# KiCad board 75%.kicad_pcb
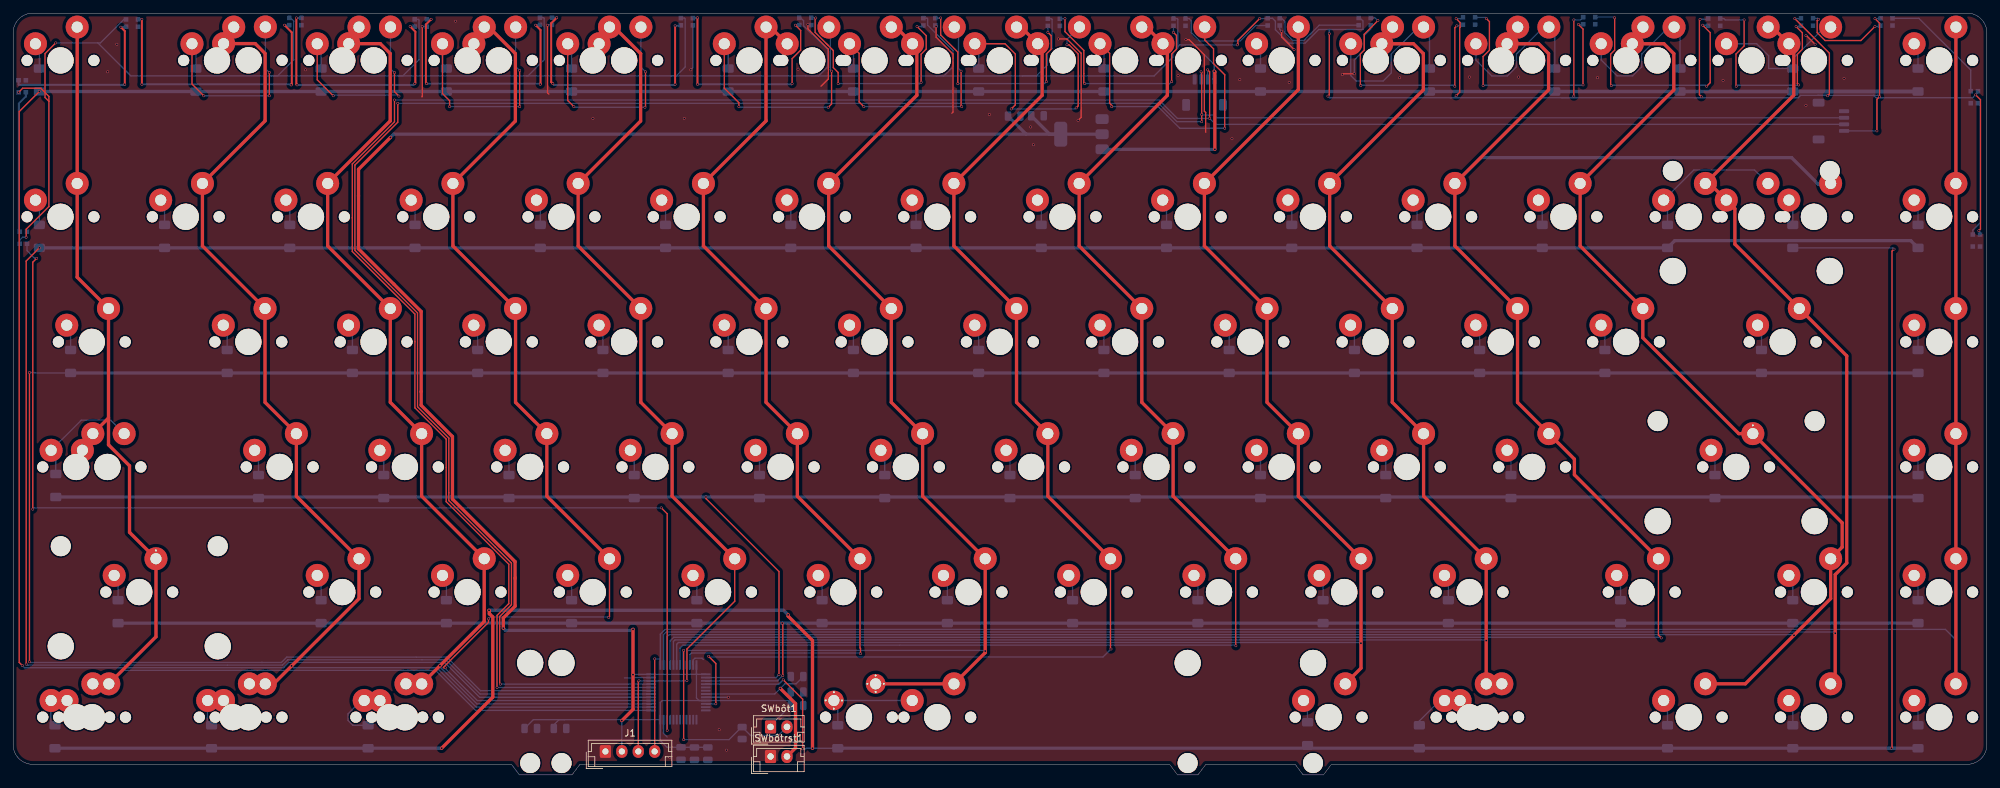
[diagram p0: board, top side]
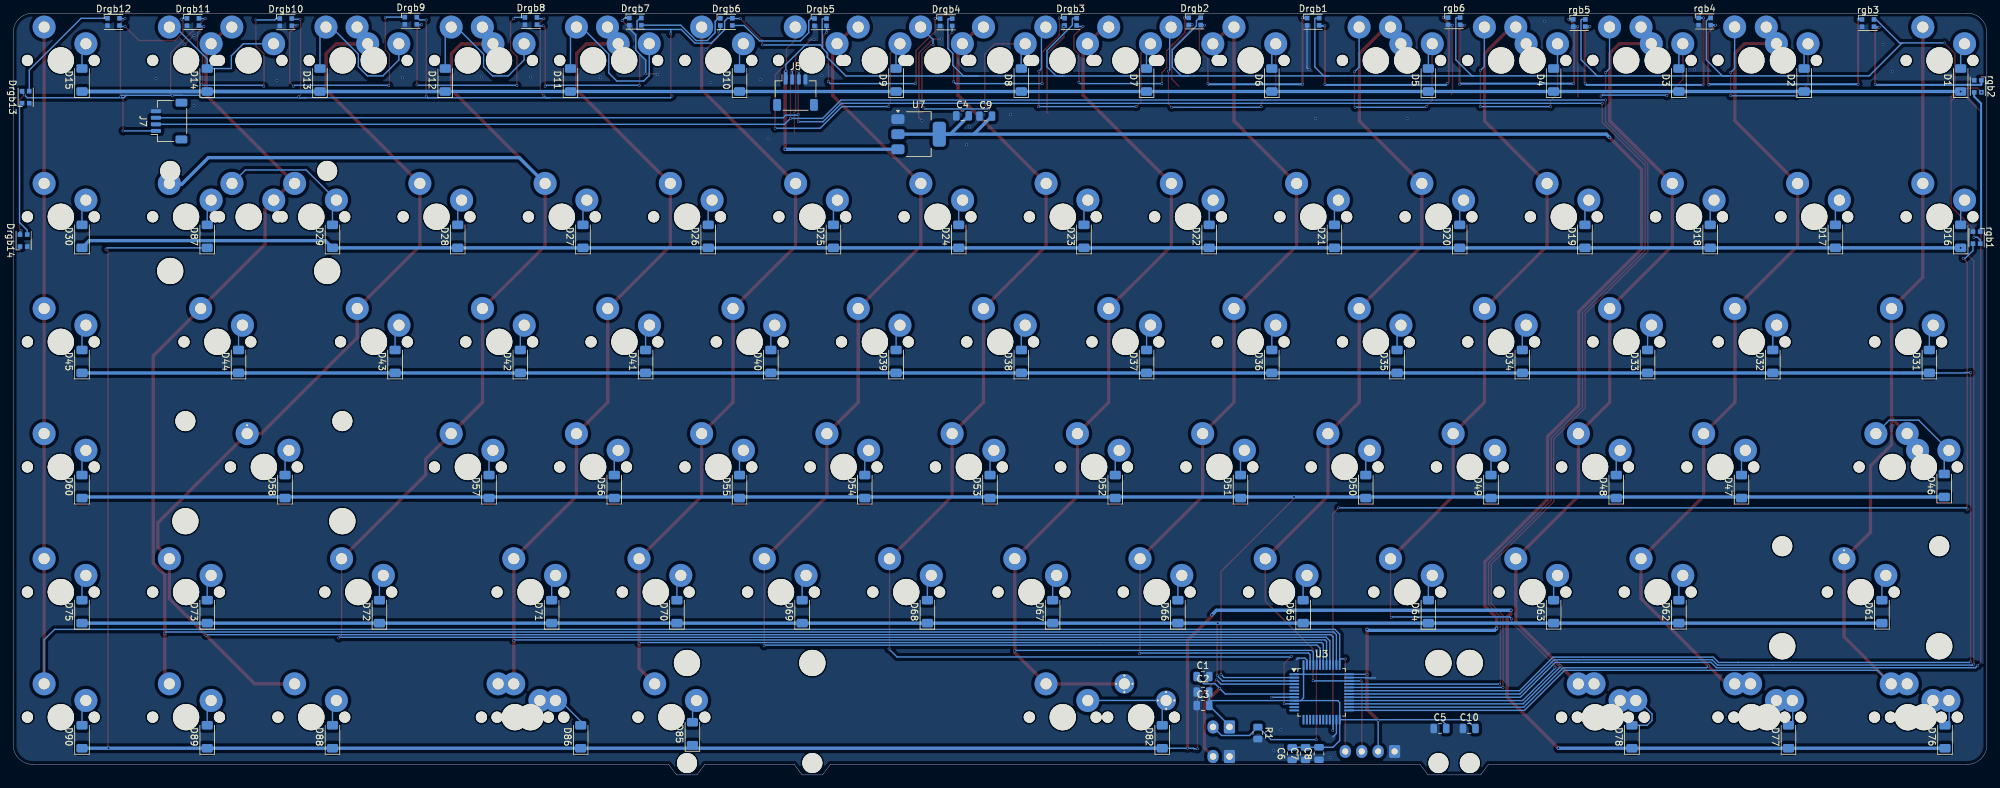
[diagram p1: board, bottom side, seen from below]

Outline 300.2 x 116 mm; copper layers: Top, Bottom. Coordinates in mm from the lower left corner of the outline.
Outline path: 0,113 0,4.6 arc(0.88,2.48) 3,1.6 75.8,1.6 77,0 85,0 86.2,1.6 175.9,1.6 177.1,0 180.2,0 181.4,1.6 195,1.6 196.2,0 199.3,0 200.5,1.6 297.2,1.6 arc(299.32,2.48) 300.2,4.6 300.2,113 arc(299.32,115.12) 297.2,116 3,116 arc(0.88,115.12) 0,113

## Placement (name value [footprint] x y rotation side)
C1  4.7uF  [C_0805_2012Metric]  119.23 14.97 180 bottom
C2  4.7uF  [C_0805_2012Metric]  119.23 12.61 180 bottom
C3  100nF  [C_0805_2012Metric]  119.23 10.57 180 bottom
C4  4.7uF  [C_0805_2012Metric]  155.8 100.37 180 bottom
C5  4.7uF  [C_0805_2012Metric]  83.18 7.07 180 bottom
C6  100nF  [C_0805_2012Metric]  105.66 3.24 90 bottom
C7  100nF  [C_0805_2012Metric]  103.63 3.24 90 bottom
C8  4.7uF  [C_0805_2012Metric]  101.58 3.25 90 bottom
C9  100nF  [C_0805_2012Metric]  152.27 100.32 180 bottom
C10  4.7uF  [C_0805_2012Metric]  78.73 7.07 180 bottom
D1  D_Small  [D_MiniMELF]  3.98 105.82 90 bottom
D2  D_Small  [D_MiniMELF]  27.79 105.82 90 bottom
D3  D_Small  [D_MiniMELF]  46.84 105.82 90 bottom
D4  D_Small  [D_MiniMELF]  65.89 105.82 90 bottom
D5  D_Small  [D_MiniMELF]  84.94 105.82 90 bottom
D6  D_Small  [D_MiniMELF]  108.76 105.82 90 bottom
D7  D_Small  [D_MiniMELF]  127.81 105.82 90 bottom
D8  D_Small  [D_MiniMELF]  146.86 105.82 90 bottom
D9  D_Small  [D_MiniMELF]  165.91 105.82 90 bottom
D10  D_Small  [D_MiniMELF]  189.72 105.82 90 bottom
D11  D_Small  [D_MiniMELF]  215.43 105.82 90 bottom
D12  D_Small  [D_MiniMELF]  234.48 105.82 90 bottom
D13  D_Small  [D_MiniMELF]  253.53 105.82 90 bottom
D14  D_Small  [D_MiniMELF]  270.68 105.82 90 bottom
D15  D_Small  [D_MiniMELF]  289.73 105.82 90 bottom
D16  D_Small  [D_MiniMELF]  3.98 82 90 bottom
D17  D_Small  [D_MiniMELF]  23.03 82 90 bottom
D18  D_Small  [D_MiniMELF]  42.08 82 90 bottom
D19  D_Small  [D_MiniMELF]  61.13 82 90 bottom
D20  D_Small  [D_MiniMELF]  80.18 82 90 bottom
D21  D_Small  [D_MiniMELF]  99.23 82 90 bottom
D22  D_Small  [D_MiniMELF]  118.28 82 90 bottom
D23  D_Small  [D_MiniMELF]  137.33 82 90 bottom
D24  D_Small  [D_MiniMELF]  156.38 82 90 bottom
D25  D_Small  [D_MiniMELF]  175.43 82 90 bottom
D26  D_Small  [D_MiniMELF]  194.48 82 90 bottom
D27  D_Small  [D_MiniMELF]  213.53 82 90 bottom
D28  D_Small  [D_MiniMELF]  232.58 82 90 bottom
D29  D_Small  [D_MiniMELF]  251.63 82 90 bottom
D30  D_Small  [D_MiniMELF]  289.73 82 90 bottom
D31  D_Small  [D_MiniMELF]  8.74 62.95 90 bottom
D32  D_Small  [D_MiniMELF]  32.56 62.95 90 bottom
D33  D_Small  [D_MiniMELF]  51.61 62.95 90 bottom
D34  D_Small  [D_MiniMELF]  70.66 62.95 90 bottom
D35  D_Small  [D_MiniMELF]  89.71 62.95 90 bottom
D36  D_Small  [D_MiniMELF]  108.76 62.95 90 bottom
D37  D_Small  [D_MiniMELF]  127.81 62.95 90 bottom
D38  D_Small  [D_MiniMELF]  146.86 62.95 90 bottom
D39  D_Small  [D_MiniMELF]  165.91 62.95 90 bottom
D40  D_Small  [D_MiniMELF]  184.96 62.95 90 bottom
D41  D_Small  [D_MiniMELF]  204.01 62.95 90 bottom
D42  D_Small  [D_MiniMELF]  223.06 62.95 90 bottom
D43  D_Small  [D_MiniMELF]  242.11 62.95 90 bottom
D44  D_Small  [D_MiniMELF]  265.92 62.95 90 bottom
D45  D_Small  [D_MiniMELF]  289.73 62.95 90 bottom
D46  D_Small  [D_MiniMELF]  6.48 44.07 90 bottom
D47  D_Small  [D_MiniMELF]  37.32 43.9 90 bottom
D48  D_Small  [D_MiniMELF]  56.37 43.9 90 bottom
D49  D_Small  [D_MiniMELF]  75.42 43.9 90 bottom
D50  D_Small  [D_MiniMELF]  94.47 43.9 90 bottom
D51  D_Small  [D_MiniMELF]  113.52 43.9 90 bottom
D52  D_Small  [D_MiniMELF]  132.57 43.9 90 bottom
D53  D_Small  [D_MiniMELF]  151.62 43.9 90 bottom
D54  D_Small  [D_MiniMELF]  170.67 43.9 90 bottom
D55  D_Small  [D_MiniMELF]  189.72 43.9 90 bottom
D56  D_Small  [D_MiniMELF]  208.77 43.9 90 bottom
D57  D_Small  [D_MiniMELF]  227.82 43.9 90 bottom
D58  D_Small  [D_MiniMELF]  258.85 43.9 90 bottom
D60  D_Small  [D_MiniMELF]  289.73 43.9 90 bottom
D61  D_Small  [D_MiniMELF]  15.96 24.85 90 bottom
D62  D_Small  [D_MiniMELF]  46.84 24.85 90 bottom
D63  D_Small  [D_MiniMELF]  65.89 24.85 90 bottom
D64  D_Small  [D_MiniMELF]  84.94 24.85 90 bottom
D65  D_Small  [D_MiniMELF]  103.99 24.85 90 bottom
D66  D_Small  [D_MiniMELF]  123.04 24.85 90 bottom
D67  D_Small  [D_MiniMELF]  142.09 24.85 90 bottom
D68  D_Small  [D_MiniMELF]  161.14 24.85 90 bottom
D69  D_Small  [D_MiniMELF]  180.19 24.85 90 bottom
D70  D_Small  [D_MiniMELF]  199.24 24.85 90 bottom
D71  D_Small  [D_MiniMELF]  218.29 24.85 90 bottom
D72  D_Small  [D_MiniMELF]  244.49 24.85 90 bottom
D73  D_Small  [D_MiniMELF]  270.68 24.85 90 bottom
D75  D_Small  [D_MiniMELF]  289.73 24.85 90 bottom
D76  D_Small  [D_MiniMELF]  6.36 5.8 90 bottom
D77  D_Small  [D_MiniMELF]  30.17 5.8 90 bottom
D78  D_Small  [D_MiniMELF]  53.99 5.8 90 bottom
D82  D_Small  [D_MiniMELF]  125.42 5.8 90 bottom
D85  D_Small  [D_MiniMELF]  196.88 6.27 90 bottom
D86  D_Small  [D_MiniMELF]  213.88 5.8 90 bottom
D87  D_Small  [D_MiniMELF]  270.68 82 90 bottom
D88  D_Small  [D_MiniMELF]  251.63 5.8 90 bottom
D89  D_Small  [D_MiniMELF]  270.68 5.8 90 bottom
D90  D_Small  [D_MiniMELF]  289.73 5.8 90 bottom
Drgb1  WS2812B-2020  [LED_WS2812B-2020_PLCC4_2.0x2.0mm]  102.48 114.69 180 bottom
Drgb2  WS2812B-2020  [LED_WS2812B-2020_PLCC4_2.0x2.0mm]  120.49 114.74 180 bottom
Drgb3  WS2812B-2020  [LED_WS2812B-2020_PLCC4_2.0x2.0mm]  139.36 114.68 180 bottom
Drgb4  WS2812B-2020  [LED_WS2812B-2020_PLCC4_2.0x2.0mm]  158.29 114.6 180 bottom
Drgb5  WS2812B-2020  [LED_WS2812B-2020_PLCC4_2.0x2.0mm]  177.4 114.62 180 bottom
Drgb6  WS2812B-2020  [LED_WS2812B-2020_PLCC4_2.0x2.0mm]  191.72 114.67 180 bottom
Drgb7  WS2812B-2020  [LED_WS2812B-2020_PLCC4_2.0x2.0mm]  205.57 114.71 180 bottom
Drgb8  WS2812B-2020  [LED_WS2812B-2020_PLCC4_2.0x2.0mm]  221.44 114.8 180 bottom
Drgb9  WS2812B-2020  [LED_WS2812B-2020_PLCC4_2.0x2.0mm]  239.71 114.84 180 bottom
Drgb10  WS2812B-2020  [LED_WS2812B-2020_PLCC4_2.0x2.0mm]  258.73 114.62 180 bottom
Drgb11  WS2812B-2020  [LED_WS2812B-2020_PLCC4_2.0x2.0mm]  272.85 114.65 180 bottom
Drgb12  WS2812B-2020  [LED_WS2812B-2020_PLCC4_2.0x2.0mm]  284.93 114.66 180 bottom
Drgb13  WS2812B-2020  [LED_WS2812B-2020_PLCC4_2.0x2.0mm]  298.3 103.2 90 bottom
Drgb14  WS2812B-2020  [LED_WS2812B-2020_PLCC4_2.0x2.0mm]  298.61 81.36 90 bottom
J1  Conn_01x04_Pin  [JST_EH_B4B-EH-A_1x04_P2.50mm_Vertical]  90.08 3.57 0 top
J5  Conn_01x04_Pin  [JST_SH_SM04B-SRSS-TB_1x04-1MP_P1.00mm_Horizontal]  181.2 103.9 180 bottom
J7  Conn_01x04_Pin  [JST_SH_SM04B-SRSS-TB_1x04-1MP_P1.00mm_Horizontal]  276.48 99.57 90 bottom
R1  R_Small  [R_0805_2012Metric]  110.88 6.37 270 bottom
rgb1  WS2812B-2020  [LED_WS2812B-2020_PLCC4_2.0x2.0mm]  1.56 81.81 270 bottom
rgb2  WS2812B-2020  [LED_WS2812B-2020_PLCC4_2.0x2.0mm]  1.38 104.86 270 bottom
rgb3  WS2812B-2020  [LED_WS2812B-2020_PLCC4_2.0x2.0mm]  18.08 114.49 180 bottom
rgb4  WS2812B-2020  [LED_WS2812B-2020_PLCC4_2.0x2.0mm]  42.93 114.72 180 bottom
rgb5  WS2812B-2020  [LED_WS2812B-2020_PLCC4_2.0x2.0mm]  61.99 114.5 180 bottom
rgb6  WS2812B-2020  [LED_WS2812B-2020_PLCC4_2.0x2.0mm]  81.04 114.77 180 bottom
SW1  SW_Push  [MXOnly-1U_N]  7.2 108.8 0 top
SW2  SW_Push  [MXOnly-1U_N]  31.01 108.8 0 top
SW3  SW_Push  [MXOnly-1U_N]  50.06 108.8 0 top
SW4  SW_Push  [MXOnly-1U_N]  69.11 108.8 0 top
SW5  SW_Push  [MXOnly-1U_N]  88.16 108.8 0 top
SW6  SW_Push  [MXOnly-1U_N]  111.97 108.8 0 top
SW7  SW_Push  [MXOnly-1U_N]  131.02 108.8 0 top
SW8  SW_Push  [MXOnly-1U_N]  150.07 108.8 0 top
SW9  SW_Push  [MXOnly-1U_N]  169.12 108.8 0 top
SW10  SW_Push  [MXOnly-1U_N]  192.94 108.8 0 top
SW11  SW_Push  [MXOnly-1U_N]  211.99 108.8 0 top
SW12  SW_Push  [MXOnly-1U_N]  231.04 108.8 0 top
SW13  SW_Push  [MXOnly-1U_N]  250.09 108.8 0 top
SW14  SW_Push  [MXOnly-1U_N]  273.9 108.8 0 top
SW15  SW_Push  [MXOnly-1U_N]  292.95 108.8 0 top
SW16  SW_Push  [MXOnly-1U_N]  7.2 84.99 0 top
SW17  SW_Push  [MXOnly-1U_N]  26.25 84.99 0 top
SW18  SW_Push  [MXOnly-1U_N]  45.3 84.99 0 top
SW19  SW_Push  [MXOnly-1U_N]  64.35 84.99 0 top
SW20  SW_Push  [MXOnly-1U_N]  83.4 84.99 0 top
SW21  SW_Push  [MXOnly-1U_N]  102.45 84.99 0 top
SW22  SW_Push  [MXOnly-1U_N]  121.5 84.99 0 top
SW23  SW_Push  [MXOnly-1U_N]  140.55 84.99 0 top
SW24  SW_Push  [MXOnly-1U_N]  159.6 84.99 0 top
SW25  SW_Push  [MXOnly-1U_N]  178.65 84.99 0 top
SW26  SW_Push  [MXOnly-1U_N]  197.7 84.99 0 top
SW27  SW_Push  [MXOnly-1U_N]  216.75 84.99 0 top
SW28  SW_Push  [MXOnly-1U_N]  235.8 84.99 0 top
SW29  SW_Push  [MXOnly-1U_N]  254.85 84.99 0 top
SW30  SW_Push  [MXOnly-1U_N]  292.95 84.99 0 top
SW31  SW_Push  [MXOnly-1.5U_N]  11.96 65.94 0 top
SW32  SW_Push  [MXOnly-1U_N]  35.77 65.94 0 top
SW33  SW_Push  [MXOnly-1U_N]  54.82 65.94 0 top
SW34  SW_Push  [MXOnly-1U_N]  73.88 65.94 0 top
SW35  SW_Push  [MXOnly-1U_N]  92.92 65.94 0 top
SW36  SW_Push  [MXOnly-1U_N]  111.97 65.94 0 top
SW37  SW_Push  [MXOnly-1U_N]  131.02 65.94 0 top
SW38  SW_Push  [MXOnly-1U_N]  150.07 65.94 0 top
SW39  SW_Push  [MXOnly-1U_N]  169.12 65.94 0 top
SW40  SW_Push  [MXOnly-1U_N]  188.17 65.94 0 top
SW41  SW_Push  [MXOnly-1U_N]  207.22 65.94 0 top
SW42  SW_Push  [MXOnly-1U_N]  226.27 65.94 0 top
SW43  SW_Push  [MXOnly-1U_N]  245.32 65.94 0 top
SW44  SW_Push  [MXOnly-1.5U_N]  269.14 65.94 0 top
SW45  SW_Push  [MXOnly-1U_N]  292.95 65.94 0 top
SW46  SW_Push  [MXOnly-1.75U_N]  14.34 46.89 0 top
SW47  SW_Push  [MXOnly-1U_N]  40.54 46.89 0 top
SW48  SW_Push  [MXOnly-1U_N]  59.59 46.89 0 top
SW49  SW_Push  [MXOnly-1U_N]  78.64 46.89 0 top
SW50  SW_Push  [MXOnly-1U_N]  97.69 46.89 0 top
SW51  SW_Push  [MXOnly-1U_N]  116.74 46.89 0 top
SW52  SW_Push  [MXOnly-1U_N]  135.79 46.89 0 top
SW53  SW_Push  [MXOnly-1U_N]  154.84 46.89 0 top
SW54  SW_Push  [MXOnly-1U_N]  173.89 46.89 0 top
SW55  SW_Push  [MXOnly-1U_N]  192.94 46.89 0 top
SW56  SW_Push  [MXOnly-1U_N]  211.99 46.89 0 top
SW57  SW_Push  [MXOnly-1U_N]  231.04 46.89 0 top
SW58  SW_Push  [MXOnly-2.25U_N]  262.07 46.89 0 top
SW59  SW_Push  [MXOnly-1U_N]  35.82 108.82 0 top
SW60  SW_Push  [MXOnly-1U_N]  292.95 46.89 0 top
SW61  SW_Push  [MXOnly-2.25U_N]  19.18 27.84 0 top
SW62  SW_Push  [MXOnly-1U_N]  50.06 27.84 0 top
SW63  SW_Push  [MXOnly-1U_N]  69.11 27.84 0 top
SW64  SW_Push  [MXOnly-1U_N]  88.16 27.84 0 top
SW65  SW_Push  [MXOnly-1U_N]  107.21 27.84 0 top
SW66  SW_Push  [MXOnly-1U_N]  126.26 27.84 0 top
SW67  SW_Push  [MXOnly-1U_N]  145.31 27.84 0 top
SW68  SW_Push  [MXOnly-1U_N]  164.36 27.84 0 top
SW69  SW_Push  [MXOnly-1U_N]  183.41 27.84 0 top
SW70  SW_Push  [MXOnly-1U_N]  202.46 27.84 0 top
SW71  SW_Push  [MXOnly-1U_N]  221.51 27.84 0 top
SW72  SW_Push  [MXOnly-1.75U_N]  247.71 27.84 0 top
SW73  SW_Push  [MXOnly-1U_N]  273.9 27.84 0 top
SW74  SW_Push  [MXOnly-1U_N]  54.85 108.81 0 top
SW75  SW_Push  [MXOnly-1U_N]  292.95 27.84 0 top
SW76  SW_Push  [MXOnly-1.25U_N]  9.58 8.79 0 top
SW77  SW_Push  [MXOnly-1.25U_N]  33.39 8.79 0 top
SW78  SW_Push  [MXOnly-1.25U_N]  57.21 8.79 0 top
SW79  SW_Push  [MXOnly-1U_N]  73.89 108.8 0 top
SW80  SW_Push  [MXOnly-1U_N]  92.94 108.8 0 top
SW81  SW_Push  [MXOnly-1U_N]  121.54 108.79 0 top
SW82  SW_Push  [MXOnly-6.25U-FLIPPED-ReversedStabilizers_N]  128.64 8.79 0 top
SW83  SW_Push  [MXOnly-1U_N]  140.6 108.8 0 top
SW84  SW_Push  [MXOnly-1U_N]  159.64 108.81 0 top
SW85  SW_Push  [MXOnly-1.25U_N]  200.08 8.79 0 top
SW86  SW_Push  [MXOnly-1.25U_N]  223.89 8.79 0 top
SW87  SW_Push  [MXOnly-1U_N]  273.9 84.99 0 top
SW88  SW_Push  [MXOnly-1U_N]  254.85 8.79 0 top
SW89  SW_Push  [MXOnly-1U_N]  273.9 8.79 0 top
SW90  SW_Push  [MXOnly-1U_N]  292.95 8.79 0 top
SW91  SW_Push  [MXOnly-1U_N]  178.7 108.81 0 top
SW92  SW_Push  [MXOnly-1U_N]  207.26 108.8 0 top
SW93  SW_Push  [MXOnly-1U_N]  226.3 108.79 0 top
SW94  SW_Push  [MXOnly-1U_N]  245.35 108.8 0 top
SW95  SW_Push  [MXOnly-1U_N]  264.4 108.8 0 top
SW96  SW_Push  [MXOnly-1.5U_N]  12.01 8.78 0 top
SW97  SW_Push  [MXOnly-1U_N]  35.81 8.78 0 top
SW98  SW_Push  [MXOnly-1.5U_N]  59.6 8.77 0 top
SW99  SW_Push  [MXOnly-7U-ReversedStabilizers_N]  140.56 8.78 0 top
SW100  SW_Push  [MXOnly-1.25U_N]  9.58 46.89 0 top
SW101  SW_Push  [MXOnly-1.5U_N]  221.52 8.78 0 top
SW1001  SW_Push  [MXOnly-2U_N]  264.38 84.99 0 top
SWbôt1  SW_Push  [JST_EH_B2B-EH-A_1x02_P2.50mm_Vertical]  115.2 7.3 0 top
SWbôtrst1  SW_Push  [JST_EH_B2B-EH-A_1x02_P2.50mm_Vertical]  115.2 2.8 0 top
U3  STM32F072-LQFP48  [LQFP-48_7x7mm_P0.5mm]  101.18 12.57 180 bottom
U7  AMS1117  [SOT-223-3_TabPin2]  162.48 97.57 180 bottom

## Library data of the parts
C1-C10 = -: Description: Unpolarized capacitor, small symbol; ki_fp_filters: C_*
D1-D58 D60-D73 D75-D78 D82 D85-D90 = -: Description: Diode, small symbol; Sim.Device: D; Sim.Pins: 1=K 2=A; ki_fp_filters: TO-???* *_Diode_* *SingleDiode* D_*
Drgb1-Drgb14 rgb1-rgb6 = -: Datasheet: https://cdn-shop.adafruit.com/product-files/4684/4684_WS2812B-2020_V1.3_EN.pdf; Description: RGB LED with integrated controller, 2.0 x 2.0 mm, 12 mA; ki_fp_filters: LED*WS2812*-2020_PLCC4*
J1 J5 J7 = -: Description: Generic connector, single row, 01x04, script generated; ki_fp_filters: Connector*:*_1x??_*
R1 = -: Description: Resistor, small symbol; ki_fp_filters: R_*
SW1-SW101 SW1001 SWbôt1 SWbôtrst1 = -: Description: Push button switch, generic, two pins
U7 = -: Datasheet: http://www.advanced-monolithic.com/pdf/ds1117.pdf; Description: 1A Low Dropout regulator, positive, adjustable output, SOT-223; ki_fp_filters: SOT?223*TabPin2*

## Footprints (pads in the part's own frame, mm; a bottom-side part is the same pattern mirrored in y, then rotated)
C_0805_2012Metric
  rrect 1x1.45 smd: 1(-0.95,0) 2(0.95,0)
D_MiniMELF
  rrect 1.3x1.7 smd: 1(-1.75,0) 2(1.75,0)
JST_EH_B2B-EH-A_1x02_P2.50mm_Vertical
  rrect 1.7x2 hole 1: 1(0,0)
  oval 1.7x2 hole 1: 2(2.5,0)
JST_EH_B4B-EH-A_1x04_P2.50mm_Vertical
  rrect 1.7x1.95 hole 0.95: 1(0,0)
  oval 1.7x1.95 hole 0.95: 2(2.5,0) 3(5,0) 4(7.5,0)
JST_SH_SM04B-SRSS-TB_1x04-1MP_P1.00mm_Horizontal
  rrect 0.6x1.55 smd: 1(-1.5,2) 2(-0.5,2) 3(0.5,2) 4(1.5,2)
  rrect 1.2x1.8 smd: MP(-2.8,-1.875) MP(2.8,-1.875)
LED_WS2812B-2020_PLCC4_2.0x2.0mm
  rect 0.7x0.7 smd: 1(-0.915,0.55) 2(-0.915,-0.55) 3(0.915,-0.55) 4(0.915,0.55)
LQFP-48_7x7mm_P0.5mm
  rrect 1.475x0.3 smd: 1(-4.162,2.75) 2(-4.162,2.25) 3(-4.162,1.75) 4(-4.162,1.25) 5(-4.162,0.75) 6(-4.162,0.25) 7(-4.162,-0.25) 8(-4.162,-0.75) 9(-4.162,-1.25) 10(-4.162,-1.75) 11(-4.162,-2.25) 12(-4.162,-2.75) 25(4.162,-2.75) 26(4.162,-2.25) 27(4.162,-1.75) 28(4.162,-1.25) 29(4.162,-0.75) 30(4.162,-0.25) 31(4.162,0.25) 32(4.162,0.75) 33(4.162,1.25) 34(4.162,1.75) 35(4.162,2.25) 36(4.162,2.75)
  rrect 0.3x1.475 smd: 13(-2.75,-4.162) 14(-2.25,-4.162) 15(-1.75,-4.162) 16(-1.25,-4.162) 17(-0.75,-4.162) 18(-0.25,-4.162) 19(0.25,-4.162) 20(0.75,-4.162) 21(1.25,-4.162) 22(1.75,-4.162) 23(2.25,-4.162) 24(2.75,-4.162) 37(2.75,4.162) 38(2.25,4.162) 39(1.75,4.162) 40(1.25,4.162) 41(0.75,4.162) 42(0.25,4.162) 43(-0.25,4.162) 44(-0.75,4.162) 45(-1.25,4.162) 46(-1.75,4.162) 47(-2.25,4.162) 48(-2.75,4.162)
MXOnly-1.5U_N
  round 1.7 hole 1.7 unplated: (-5.08,0) (5.08,0)
  round 2.5 smd: (-3.81,2.55) (2.54,5.08)
  round 4 hole 4 unplated: (0,0)
  round 3.5 hole 1.7: 1(-3.81,2.54) 2(2.54,5.08)
MXOnly-1.25U_N
  round 1.7 hole 1.7 unplated: (-5.08,0) (5.08,0)
  round 2.5 smd: (-3.81,2.55) (2.54,5.08)
  round 4 hole 4 unplated: (0,0)
  round 3.5 hole 1.7: 1(-3.81,2.54) 2(2.54,5.08)
MXOnly-1.75U_N
  round 1.7 hole 1.7 unplated: (-5.08,0) (5.08,0)
  round 2.5 smd: (-3.81,2.55) (2.54,5.08)
  round 4 hole 4 unplated: (0,0)
  round 3.5 hole 1.7: 1(-3.81,2.54) 2(2.54,5.08)
MXOnly-1U_N
  round 1.7 hole 1.7 unplated: (-5.08,0) (5.08,0)
  round 2.5 smd: (-3.81,2.55) (2.54,5.08)
  round 4 hole 4 unplated: (0,0)
  round 3.5 hole 1.7: 1(-3.81,2.54) 2(2.54,5.08)
MXOnly-2.25U_N
  round 3.048 hole 3.048 unplated: (-11.938,6.985) (11.938,6.985)
  round 3.988 hole 3.988 unplated: (-11.938,-8.255) (11.938,-8.255)
  round 1.7 hole 1.7 unplated: (-5.08,0) (5.08,0)
  round 2.5 smd: (-3.81,2.55) (2.54,5.08)
  round 4 hole 4 unplated: (0,0)
  round 3.5 hole 1.7: 1(-3.81,2.54) 2(2.54,5.08)
  round 0.4 hole 0.3: 2(2.54,6.34)
MXOnly-2U_N
  round 3.048 hole 3.048 unplated: (-11.938,6.985) (11.938,6.985)
  round 3.988 hole 3.988 unplated: (-11.938,-8.255) (11.938,-8.255)
  round 1.7 hole 1.7 unplated: (-5.08,0) (5.08,0)
  round 2.5 smd: (-3.81,2.55) (2.54,5.08)
  round 4 hole 4 unplated: (0,0)
  round 3.5 hole 1.7: 1(-3.81,2.54) 2(2.54,5.08)
MXOnly-6.25U-FLIPPED-ReversedStabilizers_N
  round 3.988 hole 3.988 unplated: (-50,8.255) (50,8.255)
  round 3.048 hole 3.048 unplated: (-50,-6.985) (50,-6.985)
  round 1.7 hole 1.7 unplated: (-5.08,0) (5.08,0)
  round 4 hole 4 unplated: (0,0)
  round 0.4 hole 0.3: 1(-5.06,2.55) 1(-3.82,1.29) 1(-3.81,3.79) 1(-2.56,2.54) 2(1.29,5.08) 2(2.54,6.34) 2(2.54,3.84) 2(3.78,5.09)
  round 3 hole 1.7: 1(-3.81,2.54) 2(2.54,5.08)
MXOnly-7U-ReversedStabilizers_N
  round 3.988 hole 3.988 unplated: (-57.15,8.255) (57.15,8.255)
  round 3.048 hole 3.048 unplated: (-57.15,-6.985) (57.15,-6.985)
  round 1.7 hole 1.7 unplated: (-5.08,0) (5.08,0)
  round 2.5 smd: (-3.81,2.55) (2.54,5.08)
  round 4 hole 4 unplated: (0,0)
  round 3.5 hole 1.7: 1(-3.81,2.54) 2(2.54,5.08)
R_0805_2012Metric
  rrect 1.025x1.4 smd: 1(-0.912,0) 2(0.912,0)
SOT-223-3_TabPin2
  rrect 2x1.5 smd: 1(-3.15,2.3) 2(-3.15,0) 3(-3.15,-2.3)
  rrect 2x3.8 smd: 2(3.15,0)

## Nets
+3.3V: C2.2 C3.2 C4.2 C5.2 C6.2 C7.2 C8.2 C9.2 C10.2 J1.2 SWbôt1.1 U3.1 U3.9 U3.24 U3.36 U3.48 U7.2
+5V: Drgb1.4 Drgb2.4 Drgb3.4 Drgb4.4 Drgb5.4 Drgb6.4 Drgb7.4 Drgb8.4 Drgb9.4 Drgb10.4 Drgb11.4 Drgb12.4 Drgb13.4 Drgb14.4 J5.1 J7.1 rgb1.4 rgb2.4 rgb3.4 rgb4.4 rgb5.4 rgb6.4 U7.3
GND: C1.2 C2.1 C3.1 C4.1 C5.1 C6.1 C7.1 C8.1 C9.1 C10.1 Drgb1.2 Drgb2.2 Drgb3.2 Drgb4.2 Drgb5.2 Drgb6.2 Drgb7.2 Drgb8.2 Drgb9.2 Drgb10.2 Drgb11.2 Drgb12.2 Drgb13.2 Drgb14.2 J1.1 J5.4 J7.4 R1.2 rgb1.2 rgb2.2 rgb3.2 rgb4.2 rgb5.2 rgb6.2 SWbôtrst1.1 U3.8 U3.23 U3.35 U3.47 U7.1
boot: R1.1 SWbôt1.2 U3.44
C0: SW1.2 SW16.2 SW31.2 SW46.1 SW61.2 SW76.2 SW96.2 SW100.2 U3.25
C1: SW2.2 SW17.2 SW32.2 SW47.2 SW59.1 SW62.2 SW77.2 SW97.2 U3.26
C2: SW3.2 SW18.2 SW33.2 SW48.2 SW63.2 SW74.1 SW78.2 SW98.2 U3.27
C3: SW4.2 SW19.2 SW34.2 SW49.2 SW64.2 SW79.1 U3.28
C4: J1.3 SW5.2 SW20.2 SW35.2 SW50.2 SW65.2 SW80.1 U3.34
C5: SW6.2 SW21.2 SW36.2 SW51.2 SW66.2 SW81.1 U3.46
C6: SW7.2 SW22.2 SW37.2 SW52.2 SW67.2 SW82.2 SW83.1 SW99.2 U3.45
C7: SW8.2 SW23.2 SW38.2 SW53.2 SW68.2 SW84.1 U3.10
C8: SW9.2 SW24.2 SW39.2 SW54.2 SW69.2 SW91.1 U3.43
C9: SW10.2 SW25.2 SW40.2 SW55.2 SW70.2 SW85.2 U3.42
C10: SW11.1 SW26.2 SW41.2 SW56.2 SW71.2 SW86.2 SW92.2 SW101.2 U3.41
C11: SW12.1 SW27.2 SW42.2 SW57.2 SW72.2 SW87.2 SW93.2 U3.40
C12: SW13.1 SW28.2 SW43.2 SW58.2 SW73.2 SW88.2 SW94.2 U3.39
C13: SW14.1 SW29.2 SW44.2 SW89.2 SW95.2 SW1001.1 U3.38
C14: J1.4 SW15.2 SW30.2 SW45.2 SW60.2 SW75.2 SW90.2 U3.37
D+: J5.3 J7.3 U3.33
D-: J5.2 J7.2 U3.32
R0: D1.1 D2.1 D3.1 D4.1 D5.1 D6.1 D7.1 D8.1 D9.1 D10.1 D11.1 D12.1 D13.1 D14.1 D15.1 U3.29
R1: D16.1 D17.1 D18.1 D19.1 D20.1 D21.1 D22.1 D23.1 D24.1 D25.1 D26.1 D27.1 D28.1 D29.1 D30.1 U3.30
R2: D31.1 D32.1 D33.1 D34.1 D35.1 D36.1 D37.1 D38.1 D39.1 D40.1 D41.1 D42.1 D43.1 D44.1 D45.1 U3.31
R3: D46.1 D47.1 D48.1 D49.1 D50.1 D51.1 D52.1 D53.1 D54.1 D55.1 D56.1 D57.1 D58.1 D60.1 U3.2
R4: D61.1 D62.1 D63.1 D64.1 D65.1 D66.1 D67.1 D68.1 D69.1 D70.1 D71.1 D72.1 D73.1 D75.1 U3.3
R5: D76.1 D77.1 D78.1 D82.1 D85.1 D86.1 D87.1 D88.1 D89.1 D90.1 U3.4
RGB: rgb1.3 U3.22
RST: C1.1 SWbôtrst1.2 U3.7
Net-(D1-A): D1.2 SW1.1
Net-(D2-A): D2.2 SW2.1 SW59.2
Net-(D3-A): D3.2 SW3.1 SW74.2
Net-(D4-A): D4.2 SW4.1 SW79.2
Net-(D5-A): D5.2 SW5.1 SW80.2
Net-(D6-A): D6.2 SW6.1 SW81.2
Net-(D7-A): D7.2 SW7.1 SW83.2
Net-(D8-A): D8.2 SW8.1 SW84.2
Net-(D9-A): D9.2 SW9.1 SW91.2
Net-(D10-A): D10.2 SW10.1
Net-(D11-A): D11.2 SW11.2 SW92.1
Net-(D12-A): D12.2 SW12.2 SW93.1
Net-(D13-A): D13.2 SW13.2 SW94.1
Net-(D14-A): D14.2 SW14.2 SW95.1
Net-(D15-A): D15.2 SW15.1
Net-(D16-A): D16.2 SW16.1
Net-(D17-A): D17.2 SW17.1
Net-(D18-A): D18.2 SW18.1
Net-(D19-A): D19.2 SW19.1
Net-(D20-A): D20.2 SW20.1
Net-(D21-A): D21.2 SW21.1
Net-(D22-A): D22.2 SW22.1
Net-(D23-A): D23.2 SW23.1
Net-(D24-A): D24.2 SW24.1
Net-(D25-A): D25.2 SW25.1
Net-(D26-A): D26.2 SW26.1
Net-(D27-A): D27.2 SW27.1
Net-(D28-A): D28.2 SW28.1
Net-(D29-A): D29.2 SW29.1 SW1001.2
Net-(D30-A): D30.2 SW30.1
Net-(D31-A): D31.2 SW31.1
Net-(D32-A): D32.2 SW32.1
Net-(D33-A): D33.2 SW33.1
Net-(D34-A): D34.2 SW34.1
Net-(D35-A): D35.2 SW35.1
Net-(D36-A): D36.2 SW36.1
Net-(D37-A): D37.2 SW37.1
Net-(D38-A): D38.2 SW38.1
Net-(D39-A): D39.2 SW39.1
Net-(D40-A): D40.2 SW40.1
Net-(D41-A): D41.2 SW41.1
Net-(D42-A): D42.2 SW42.1
Net-(D43-A): D43.2 SW43.1
Net-(D44-A): D44.2 SW44.1
Net-(D45-A): D45.2 SW45.1
Net-(D46-A): D46.2 SW46.2 SW100.1
Net-(D47-A): D47.2 SW47.1
Net-(D48-A): D48.2 SW48.1
Net-(D49-A): D49.2 SW49.1
Net-(D50-A): D50.2 SW50.1
Net-(D51-A): D51.2 SW51.1
Net-(D52-A): D52.2 SW52.1
Net-(D53-A): D53.2 SW53.1
Net-(D54-A): D54.2 SW54.1
Net-(D55-A): D55.2 SW55.1
Net-(D56-A): D56.2 SW56.1
Net-(D57-A): D57.2 SW57.1
Net-(D58-A): D58.2 SW58.1
Net-(D60-A): D60.2 SW60.1
Net-(D61-A): D61.2 SW61.1
Net-(D62-A): D62.2 SW62.1
Net-(D63-A): D63.2 SW63.1
Net-(D64-A): D64.2 SW64.1
Net-(D65-A): D65.2 SW65.1
Net-(D66-A): D66.2 SW66.1
Net-(D67-A): D67.2 SW67.1